# KiCad board stekeeb65_analog.kicad_pcb (continued)
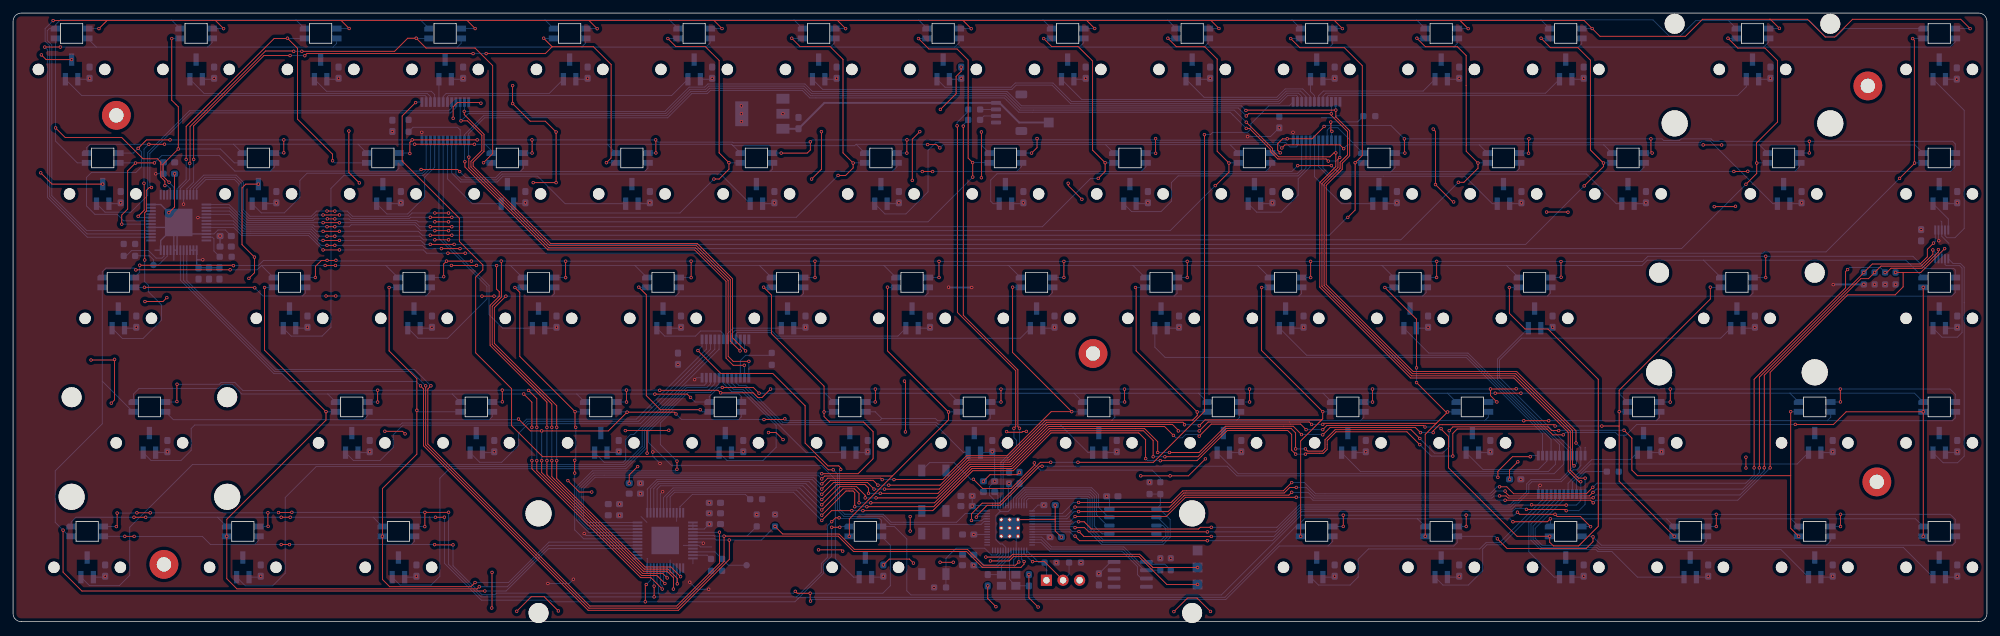
[diagram p0: board, top side]
## Placement (name value [footprint] x y rotation side) (continued)
U39  DRV5055Z3QDBZT  [SOT-23_Handsoldering_no_plane]  175.64 46.41 90 bottom
U40  DRV5055Z3QDBZT  [SOT-23_Handsoldering_no_plane]  194.69 46.41 90 bottom
U41  DRV5055Z3QDBZT  [SOT-23_Handsoldering_no_plane]  213.74 46.41 90 bottom
U42  DRV5055Z3QDBZT  [SOT-23_Handsoldering_no_plane]  232.79 46.41 90 bottom
U43  DRV5055Z3QDBZT  [SOT-23_Handsoldering_no_plane]  263.75 46.41 90 bottom
U44  DRV5055Z3QDBZT  [SOT-23_Handsoldering_no_plane]  294.71 46.41 90 bottom
U45  DRV5055Z3QDBZT  [SOT-23_Handsoldering_no_plane]  20.86 27.36 90 bottom
U46  DRV5055Z3QDBZT  [SOT-23_Handsoldering_no_plane]  51.82 27.36 90 bottom
U47  DRV5055Z3QDBZT  [SOT-23_Handsoldering_no_plane]  70.87 27.36 90 bottom
U48  DRV5055Z3QDBZT  [SOT-23_Handsoldering_no_plane]  89.92 27.36 90 bottom
U49  DRV5055Z3QDBZT  [SOT-23_Handsoldering_no_plane]  108.97 27.36 90 bottom
U50  DRV5055Z3QDBZT  [SOT-23_Handsoldering_no_plane]  128.02 27.36 90 bottom
U51  DRV5055Z3QDBZT  [SOT-23_Handsoldering_no_plane]  147.07 27.36 90 bottom
U52  DRV5055Z3QDBZT  [SOT-23_Handsoldering_no_plane]  166.12 27.36 90 bottom
U53  DRV5055Z3QDBZT  [SOT-23_Handsoldering_no_plane]  185.17 27.36 90 bottom
U54  DRV5055Z3QDBZT  [SOT-23_Handsoldering_no_plane]  204.22 27.36 90 bottom
U55  DRV5055Z3QDBZT  [SOT-23_Handsoldering_no_plane]  223.27 27.36 90 bottom
U56  DRV5055Z3QDBZT  [SOT-23_Handsoldering_no_plane]  249.46 27.36 90 bottom
U57  DRV5055Z3QDBZT  [SOT-23_Handsoldering_no_plane]  275.66 27.36 90 bottom
U58  DRV5055Z3QDBZT  [SOT-23_Handsoldering_no_plane]  294.71 27.36 90 bottom
U59  DRV5055Z3QDBZT  [SOT-23_Handsoldering_no_plane]  11.34 8.31 90 bottom
U60  DRV5055Z3QDBZT  [SOT-23_Handsoldering_no_plane]  35.15 8.31 90 bottom
U61  DRV5055Z3QDBZT  [SOT-23_Handsoldering_no_plane]  58.96 8.31 90 bottom
U62  DRV5055Z3QDBZT  [SOT-23_Handsoldering_no_plane]  130.4 8.31 90 bottom
U63  DRV5055Z3QDBZT  [SOT-23_Handsoldering_no_plane]  199.45 8.31 90 bottom
U64  DRV5055Z3QDBZT  [SOT-23_Handsoldering_no_plane]  218.5 8.31 90 bottom
U65  DRV5055Z3QDBZT  [SOT-23_Handsoldering_no_plane]  237.55 8.31 90 bottom
U66  DRV5055Z3QDBZT  [SOT-23_Handsoldering_no_plane]  256.61 8.31 90 bottom
U67  DRV5055Z3QDBZT  [SOT-23_Handsoldering_no_plane]  275.66 8.31 90 bottom
U68  DRV5055Z3QDBZT  [SOT-23_Handsoldering_no_plane]  294.71 8.31 90 bottom
U69  W25Q32JVSS  [SOIC-8_5.23x5.23mm_P1.27mm]  171.33 15.34 180 bottom
U70  RP2040  [RP2040-QFN-56]  152.47 14.34 180 bottom
U71  FM24CL16B  [SOIC-8_3.9x4.9mm_P1.27mm]  170.93 7.24 0 bottom
U72  NCP1117-3.3_SOT223  [SOT-223-3_TabPin2]  114.64 77.73 180 bottom
Y1  12MHz  [Crystal_SMD_3225-4Pin_3.2x2.5mm]  152.32 6.34 0 bottom

## Library data of the parts
B1 B2 = -: Part Number: MSLPT5252AG3TR
C1-C68 C71 C74 C76 C78 C80 C82-C91 C94 C97-C103 = -: Part Number: C0603C104M4RAC7411
C69 C70 C72 C73 C75 C77 C79 C81 = -: Part Number: C1608X7R1C474K080AC
C92 C93 = -: Part Number: CL10B104KA8NNNC
C95 C96 = -: Part Number: C0603C270J3GAC7867
IC1-IC4 = -: Description: 74HC(T)4067 - 16-channel analog multiplexer/demultiplexer@en-us; Arrow Price/Stock: https://www.arrow.com/en/products/74hc4067pw118/nexperia?region=nac; Height: 1.1; Manufacturer_Name: Nexperia; Mouser Part Number: 771-74HC4067PW-T; Mouser Price/Stock: https://www.mouser.co.uk/ProductDetail/Nexperia/74HC4067PW118?qs=P62ublwmbi9BArRi%252BuDUjA%3D%3D
IC5 IC6 = -: Description: Integrated Silicon Solution Inc 12 16 Dot Matrix LED Drive with individual auto breath function, eTQFP-48 (9.0mm x 9.0mm); Height: 1.2; Manufacturer_Name: Lumissil; Mouser Part Number: 870-IS313733B-TQLS4; Mouser Price/Stock: https://www.mouser.co.uk/ProductDetail/Lumissil/IS31FL3733B-TQLS4?qs=sPbYRqrBIVnVItISO7hRKQ%3D%3D
IC7 = -: Description: 4 Channel, 50 ksps to 200 kSPS, 12-Bit A/D Converter; Arrow Part Number: ADC124S021CIMM/NOPB; Arrow Price/Stock: https://www.arrow.com/en/products/adc124s021cimmnopb/texas-instruments?region=nac; Height: 1.1; Manufacturer_Name: Texas Instruments; Manufacturer_Part_Number: ADC124S021CIMM/NOPB; Mouser Part Number: 926-C124S021CIMMNOPB; Mouser Price/Stock: https://www.mouser.co.uk/ProductDetail/Texas-Instruments/ADC124S021CIMM-NOPB?qs=7X5t%252BdzoRHCsOQY55StpJg%3D%3D
J1 = -: Part Number: SM04B-SRSS-TB
J2 = -: Description: 0.1in pitch pin headers
R1 R2 R21 R22 = -: Part Number: RMCF0603FT4K70
R3-R6 = -: Part Number: RMCF0603FT100K
R7 R8 = -: Part Number: ERJ-3EKF2002V
R18 R23 = -: Part Number: RNCP0603FTD10K0
R24 R25 = -: Part Number: RC0603FR-1327RL
U70 = -: Part Number: SC0914(13)
U72 = -: Part Number: AZ1117IH-3.3TRG1
Y1 = -: Description: 12 MHz Crystal; Part Number: RH100-12.000-18-2030-TR

## Footprints (pads in the part's own frame, mm; a bottom-side part is the same pattern mirrored in y, then rotated)
C_0603_1608Metric_Pad1.08x0.95mm_HandSolder
  rrect 1.075x0.95 smd: 1(-0.863,0) 2(0.863,0)
Crystal_SMD_3225-4Pin_3.2x2.5mm
  rect 1.4x1.2 smd: 1(-1.1,-0.85) 2(1.1,-0.85) 3(1.1,0.85) 4(-1.1,0.85)
JST_SH_SM04B-SRSS-TB_1x04-1MP_P1.00mm_Horizontal
  rrect 0.6x1.55 smd: 1(-1.5,2) 2(-0.5,2) 3(0.5,2) 4(1.5,2)
  rrect 1.2x1.8 smd: MP(-2.8,-1.875) MP(2.8,-1.875)
MountingHole_2.2mm_M2_Pad_tweaked
  round 4.4 hole 2.2: 1(0,0)
MX_Lekker
  round 1.74 hole 1.74 unplated: (-5.08,0) (5.08,0)
MX_Lekker-1.5U
  round 1.74 hole 1.74 unplated: (-5.08,0) (5.08,0)
MX_Lekker-1.25U
  round 1.74 hole 1.74 unplated: (-5.08,0) (5.08,0)
MX_Lekker-1.75U
  round 1.74 hole 1.74 unplated: (-5.08,0) (5.08,0)
MX_Lekker-2.25U
  round 3.048 hole 3.048 unplated: (-11.906,6.985) (11.906,6.985)
  round 3.988 hole 3.988 unplated: (-11.906,-8.255) (11.906,-8.255)
  round 1.74 hole 1.74 unplated: (-5.08,0) (5.08,0)
MX_Lekker-2U
  round 3.048 hole 3.048 unplated: (-11.906,6.985) (11.906,6.985)
  round 3.988 hole 3.988 unplated: (-11.906,-8.255) (11.906,-8.255)
  round 1.74 hole 1.74 unplated: (-5.08,0) (5.08,0)
MX_Lekker-6.25U-ReversedStabilizers
  round 3.048 hole 3.048 unplated: (-50,-6.985) (50,-6.985)
  round 3.988 hole 3.988 unplated: (-50,8.255) (50,8.255)
  round 1.74 hole 1.74 unplated: (-5.08,0) (5.08,0)
PinHeader_1x03_P2.54mm_Vertical
  rect 1.7x1.7 hole 1: 1(0,0)
  oval 1.7x1.7 hole 1: 2(0,-2.54) 3(0,-5.08)
QBLP677R-RGB-square_cutout
  rrect 1.5x0.9 smd: 1(-2.45,-0.75)
  rect 1.5x0.9 smd: 2(2.45,-0.75) 3(2.45,0.75) 4(-2.45,0.75)
QFP50P900X900X120-49N
  rect 1.475x0.3 smd: 1(-4.238,2.75) 2(-4.238,2.25) 3(-4.238,1.75) 4(-4.238,1.25) 5(-4.238,0.75) 6(-4.238,0.25) 7(-4.238,-0.25) 8(-4.238,-0.75) 9(-4.238,-1.25) 10(-4.238,-1.75) 11(-4.238,-2.25) 12(-4.238,-2.75) 25(4.238,-2.75) 26(4.238,-2.25) 27(4.238,-1.75) 28(4.238,-1.25) 29(4.238,-0.75) 30(4.238,-0.25) 31(4.238,0.25) 32(4.238,0.75) 33(4.238,1.25) 34(4.238,1.75) 35(4.238,2.25) 36(4.238,2.75)
  rect 0.3x1.475 smd: 13(-2.75,-4.238) 14(-2.25,-4.238) 15(-1.75,-4.238) 16(-1.25,-4.238) 17(-0.75,-4.238) 18(-0.25,-4.238) 19(0.25,-4.238) 20(0.75,-4.238) 21(1.25,-4.238) 22(1.75,-4.238) 23(2.25,-4.238) 24(2.75,-4.238) 37(2.75,4.238) 38(2.25,4.238) 39(1.75,4.238) 40(1.25,4.238) 41(0.75,4.238) 42(0.25,4.238) 43(-0.25,4.238) 44(-0.75,4.238) 45(-1.25,4.238) 46(-1.75,4.238) 47(-2.25,4.238) 48(-2.75,4.238)
  rect 4.21x4.21 smd: 49(0,0)
R_0603_1608Metric_Pad0.98x0.95mm_HandSolder
  rrect 0.975x0.95 smd: 1(-0.912,0) 2(0.912,0)
RP2040-QFN-56
  rrect 1.084x1.084 smd: (-0.637,-0.637) (-0.637,0.637) (0.637,-0.637) (0.637,0.637)
  rrect 0.875x0.2 smd: 1(-3.438,2.6) 2(-3.438,2.2) 3(-3.438,1.8) 4(-3.438,1.4) 5(-3.438,1) 6(-3.438,0.6) 7(-3.438,0.2) 8(-3.438,-0.2) 9(-3.438,-0.6) 10(-3.438,-1) 11(-3.438,-1.4) 12(-3.438,-1.8) 13(-3.438,-2.2) 14(-3.438,-2.6) 29(3.438,-2.6) 30(3.438,-2.2) 31(3.438,-1.8) 32(3.438,-1.4) 33(3.438,-1) 34(3.438,-0.6) 35(3.438,-0.2) 36(3.438,0.2) 37(3.438,0.6) 38(3.438,1) 39(3.438,1.4) 40(3.438,1.8) 41(3.438,2.2) 42(3.438,2.6)
  rrect 0.2x0.875 smd: 15(-2.6,-3.438) 16(-2.2,-3.438) 17(-1.8,-3.438) 18(-1.4,-3.438) 19(-1,-3.438) 20(-0.6,-3.438) 21(-0.2,-3.438) 22(0.2,-3.438) 23(0.6,-3.438) 24(1,-3.438) 25(1.4,-3.438) 26(1.8,-3.438) 27(2.2,-3.438) 28(2.6,-3.438) 43(2.6,3.438) 44(2.2,3.438) 45(1.8,3.438) 46(1.4,3.438) 47(1,3.438) 48(0.6,3.438) 49(0.2,3.438) 50(-0.2,3.438) 51(-0.6,3.438) 52(-1,3.438) 53(-1.4,3.438) 54(-1.8,3.438) 55(-2.2,3.438) 56(-2.6,3.438)
  round 0.6 hole 0.35: 57(-1.275,-1.275) 57(-1.275,0) 57(-1.275,1.275) 57(0,-1.275) 57(0,0) 57(0,1.275) 57(1.275,-1.275) 57(1.275,0) 57(1.275,1.275)
  rrect 3.2x3.2 smd: 57(0,0)
SKQG-1155865
  rect 1.8x1.1 smd: 1(3.1,-1.85) 2(-3.1,1.85) 3(3.1,1.85) 4(-3.1,-1.85)
SOIC-8_3.9x4.9mm_P1.27mm
  rrect 1.95x0.6 smd: 1(-2.475,1.905) 2(-2.475,0.635) 3(-2.475,-0.635) 4(-2.475,-1.905) 5(2.475,-1.905) 6(2.475,-0.635) 7(2.475,0.635) 8(2.475,1.905)
SOIC-8_5.23x5.23mm_P1.27mm
  rrect 1.6x0.6 smd: 1(-3.6,1.905) 2(-3.6,0.635) 3(-3.6,-0.635) 4(-3.6,-1.905) 5(3.6,-1.905) 6(3.6,-0.635) 7(3.6,0.635) 8(3.6,1.905)
SOP50P490X110-10N
  rect 1.4x0.3 smd: 1(-2.2,1) 2(-2.2,0.5) 3(-2.2,0) 4(-2.2,-0.5) 5(-2.2,-1) 6(2.2,-1) 7(2.2,-0.5) 8(2.2,0) 9(2.2,0.5) 10(2.2,1)
SOP65P640X110-24N
  rect 1.475x0.45 smd: 1(-2.938,3.575) 2(-2.938,2.925) 3(-2.938,2.275) 4(-2.938,1.625) 5(-2.938,0.975) 6(-2.938,0.325) 7(-2.938,-0.325) 8(-2.938,-0.975) 9(-2.938,-1.625) 10(-2.938,-2.275) 11(-2.938,-2.925) 12(-2.938,-3.575) 13(2.938,-3.575) 14(2.938,-2.925) 15(2.938,-2.275) 16(2.938,-1.625) 17(2.938,-0.975) 18(2.938,-0.325) 19(2.938,0.325) 20(2.938,0.975) 21(2.938,1.625) 22(2.938,2.275) 23(2.938,2.925) 24(2.938,3.575)
SOT-23_Handsoldering_no_plane
  rect 1.9x0.8 smd: 1(-1.5,0.95) 2(-1.5,-0.95) 3(1.5,0)
SOT-223-3_TabPin2
  rect 2x1.5 smd: 1(-3.15,2.3) 2(-3.15,0) 3(-3.15,-2.3)
  rect 2x3.8 smd: 2(3.15,0)
TestPoint_Pad_1.5x1.5mm
  rect 1.5x1.5 smd: 1(0,0)
TestPoint_Pad_D1.0mm
  round 1 smd: 1(0,0)
unnamed
  round 4.4 hole 2.2: 1(0,0)

## Nets
+1V1: C83.1 C84.1 C92.1 U70.23 U70.45 U70.50
+3.3VA: C1.1 C2.1 C3.1 C4.1 C5.1 C6.1 C7.1 C8.1 C9.1 C10.1 C11.1 C12.1 C13.1 C14.1 C15.1 C16.1 C17.1 C18.1 C19.1 C20.1 C21.1 C22.1 C23.1 C24.1 C25.1 C26.1 C27.1 C28.1 C29.1 C30.1 C31.1 C32.1 C33.1 C34.1 C35.1 C36.1 C37.1 C38.1 C39.1 C40.1 C41.1 C42.1 C43.1 C44.1 C45.1 C46.1 C47.1 C48.1 C49.1 C50.1 C51.1 C52.1 C53.1 C54.1 C55.1 C56.1 C57.1 C58.1 C59.1 C60.1 C61.1 C62.1 C63.1 C64.1 C65.1 C66.1 C67.1 C68.1 C69.1 C70.1 C71.1 C72.1 C73.1 C74.1 C75.1 C76.1 C77.1 C78.1 C79.1 C80.1 C81.1 C82.1 C85.1 C86.1 C87.1 C88.1 C89.1 C90.1 C91.1 C93.1 C94.2 C97.1 C99.1 C100.1 C101.1 C102.1 C103.1 IC1.24 IC2.24 IC3.24 IC4.24 IC5.20 IC5.29 IC5.37 IC5.38 IC5.39 IC6.20 IC6.29 IC6.37 IC6.38 IC6.39 IC6.43 IC7.2 R1.1 R2.1 R9.1 R10.1 R11.1 R12.1 R17.2 R21.1 R22.1 R23.1 R26.1 R27.1 U1.1 U2.1 U3.1 U4.1 U5.1 U6.1 U7.1 U8.1 U9.1 U10.1 U11.1 U12.1 U13.1 U14.1 U15.1 U16.1 U17.1 U18.1 U19.1 U20.1 U21.1 U22.1 U23.1 U24.1 U25.1 U26.1 U27.1 U28.1 U29.1 U30.1 U31.1 U32.1 U33.1 U34.1 U35.1 U36.1 U37.1 U38.1 U39.1 U40.1 U41.1 U42.1 U43.1 U44.1 U45.1 U46.1 U47.1 U48.1 U49.1 U50.1 U51.1 U52.1 U53.1 U54.1 U55.1 U56.1 U57.1 U58.1 U59.1 U60.1 U61.1 U62.1 U63.1 U64.1 U65.1 U66.1 U67.1 U68.1 U69.8 U70.1 U70.10 U70.22 U70.33 U70.42 U70.43 U70.44 U70.48 U70.49 U71.4 U72.2
+5V: C98.2 J1.1 TP2.1 U72.3
GND: B1.1 B2.1 C1.2 C2.2 C3.2 C4.2 C5.2 C6.2 C7.2 C8.2 C9.2 C10.2 C11.2 C12.2 C13.2 C14.2 C15.2 C16.2 C17.2 C18.2 C19.2 C20.2 C21.2 C22.2 C23.2 C24.2 C25.2 C26.2 C27.2 C28.2 C29.2 C30.2 C31.2 C32.2 C33.2 C34.2 C35.2 C36.2 C37.2 C38.2 C39.2 C40.2 C41.2 C42.2 C43.2 C44.2 C45.2 C46.2 C47.2 C48.2 C49.2 C50.2 C51.2 C52.2 C53.2 C54.2 C55.2 C56.2 C57.2 C58.2 C59.2 C60.2 C61.2 C62.2 C63.2 C64.2 C65.2 C66.2 C67.2 C68.2 C69.2 C70.2 C71.2 C72.2 C73.2 C74.2 C75.2 C76.2 C77.2 C78.2 C79.2 C80.2 C81.2 C82.2 C83.2 C84.2 C85.2 C86.2 C87.2 C88.2 C89.2 C90.2 C91.2 C92.2 C93.2 C94.1 C95.1 C96.1 C97.2 C98.1 C99.2 C100.2 C101.2 C102.2 C103.2 IC1.12 IC2.12 IC3.12 IC4.12 IC5.5 IC5.12 IC5.34 IC5.43 IC5.44 IC5.48 IC5.49 IC6.5 IC6.12 IC6.34 IC6.44 IC6.48 IC6.49 IC7.3 J1.4 J2.3 R3.1 R4.1 R5.1 R6.1 R7.2 R8.2 R13.2 R14.2 R15.2 R16.2 TP5.1 U1.3 U2.3 U3.3 U4.3 U5.3 U6.3 U7.3 U8.3 U9.3 U10.3 U11.3 U12.3 U13.3 U14.3 U15.3 U16.3 U17.3 U18.3 U19.3 U20.3 U21.3 U22.3 U23.3 U24.3 U25.3 U26.3 U27.3 U28.3 U29.3 U30.3 U31.3 U32.3 U33.3 U34.3 U35.3 U36.3 U37.3 U38.3 U39.3 U40.3 U41.3 U42.3 U43.3 U44.3 U45.3 U46.3 U47.3 U48.3 U49.3 U50.3 U51.3 U52.3 U53.3 U54.3 U55.3 U56.3 U57.3 U58.3 U59.3 U60.3 U61.3 U62.3 U63.3 U64.3 U65.3 U66.3 U67.3 U68.3 U69.4 U70.19 U70.57 U71.8 U72.1 Y1.2 Y1.4
/MCU/FRAM_WP: U70.13 U71.7
/MCU/I2C0_SCL: R22.2 U70.12 U71.6
/MCU/I2C0_SDA: R21.2 U70.11 U71.5
/MCU/QSPI_SCLK: U69.6 U70.52
/MCU/QSPI_SD0: U69.5 U70.53
/MCU/QSPI_SD1: U69.2 U70.55
/MCU/QSPI_SD2: U69.3 U70.54
/MCU/QSPI_SD3: U69.7 U70.51
/MCU/QSPI_SS: R17.1 R18.2 U69.1 U70.56
/MCU/RESET: B2.2 R23.2 U70.26
/MCU/XIN: C95.2 U70.20 Y1.3
/MCU/XOUT: C96.2 U70.21 Y1.1
/MCU/~{USB_BOOT}: B1.2 R18.1
ADC0: IC1.1 U70.38
ADC1: IC2.1 U70.39
ADC2: IC3.1 U70.40
ADC3: IC4.1 U70.41
LED1_Col0: IC5.16 S1.4 S16.4
LED1_Col1: IC5.17 S2.4 S17.4
LED1_Col2: IC5.18 S3.4 S18.4
LED1_Col3: IC5.19 S4.4 S19.4
LED1_Col4: IC5.21 S5.4 S20.4
LED1_Col5: IC5.22 S6.4 S21.4
LED1_Col6: IC5.23 S7.4 S22.4
LED1_Col7: IC5.24 S8.4 S23.4
LED1_Col8: IC5.25 S9.4 S24.4
LED1_Col9: IC5.26 S10.4 S25.4
LED1_Col10: IC5.27 S11.4 S26.4
LED1_Col11: IC5.28 S12.4 S27.4
LED1_Col12: IC5.30 S13.4 S28.4
LED1_Col13: IC5.31 S14.4 S29.4
LED1_Col14: IC5.32 S15.4 S30.4
LED2_Col0: IC6.16 S31.4 S45.4 S59.4
LED2_Col1: IC6.17 S32.4 S46.4 S60.4
LED2_Col2: IC6.18 S33.4 S47.4 S61.4
LED2_Col3: IC6.19 S34.4 S48.4
LED2_Col4: IC6.21 S35.4 S49.4
LED2_Col5: IC6.22 S36.4 S50.4
LED2_Col6: IC6.23 S37.4 S51.4 S62.4
LED2_Col7: IC6.24 S38.4 S52.4
LED2_Col8: IC6.25 S39.4 S53.4
LED2_Col9: IC6.26 S40.4 S54.4 S63.4
LED2_Col10: IC6.27 S41.4 S55.4 S64.4
LED2_Col11: IC6.28 S42.4 S65.4
LED2_Col12: IC6.30 S43.4 S56.4 S66.4
LED2_Col13: IC6.31 S57.4 S67.4
LED2_Col14: IC6.32 S44.4 S58.4 S68.4
LED_Row_B0: IC5.4 S1.1 S2.1 S3.1 S4.1 S5.1 S6.1 S7.1 S8.1 S9.1 S10.1 S11.1 S12.1 S13.1 S14.1 S15.1
LED_Row_B1: IC5.8 S16.1 S17.1 S18.1 S19.1 S20.1 S21.1 S22.1 S23.1 S24.1 S25.1 S26.1 S27.1 S28.1 S29.1 S30.1
LED_Row_B2: IC6.4 S31.1 S32.1 S33.1 S34.1 S35.1 S36.1 S37.1 S38.1 S39.1 S40.1 S41.1 S42.1 S43.1 S44.1
LED_Row_B3: IC6.8 S45.1 S46.1 S47.1 S48.1 S49.1 S50.1 S51.1 S52.1 S53.1 S54.1 S55.1 S56.1 S57.1 S58.1
LED_Row_B4: IC6.11 S59.1 S60.1 S61.1 S62.1 S63.1 S64.1 S65.1 S66.1 S67.1 S68.1
LED_Row_G0: IC5.3 S1.2 S2.2 S3.2 S4.2 S5.2 S6.2 S7.2 S8.2 S9.2 S10.2 S11.2 S12.2 S13.2 S14.2 S15.2
LED_Row_G1: IC5.7 S16.2 S17.2 S18.2 S19.2 S20.2 S21.2 S22.2 S23.2 S24.2 S25.2 S26.2 S27.2 S28.2 S29.2 S30.2
LED_Row_G2: IC6.3 S31.2 S32.2 S33.2 S34.2 S35.2 S36.2 S37.2 S38.2 S39.2 S40.2 S41.2 S42.2 S43.2 S44.2
LED_Row_G3: IC6.7 S45.2 S46.2 S47.2 S48.2 S49.2 S50.2 S51.2 S52.2 S53.2 S54.2 S55.2 S56.2 S57.2 S58.2
LED_Row_G4: IC6.10 S59.2 S60.2 S61.2 S62.2 S63.2 S64.2 S65.2 S66.2 S67.2 S68.2
LED_Row_R0: IC5.2 S1.3 S2.3 S3.3 S4.3 S5.3 S6.3 S7.3 S8.3 S9.3 S10.3 S11.3 S12.3 S13.3 S14.3 S15.3
LED_Row_R1: IC5.6 S16.3 S17.3 S18.3 S19.3 S20.3 S21.3 S22.3 S23.3 S24.3 S25.3 S26.3 S27.3 S28.3 S29.3 S30.3
LED_Row_R2: IC6.2 S31.3 S32.3 S33.3 S34.3 S35.3 S36.3 S37.3 S38.3 S39.3 S40.3 S41.3 S42.3 S43.3 S44.3
LED_Row_R3: IC6.6 S45.3 S46.3 S47.3 S48.3 S49.3 S50.3 S51.3 S52.3 S53.3 S54.3 S55.3 S56.3 S57.3 S58.3
LED_Row_R4: IC6.9 S59.3 S60.3 S61.3 S62.3 S63.3 S64.3 S65.3 S66.3 S67.3 S68.3
LED_SCL: IC5.42 IC6.42 R1.2 U70.18
LED_SDA: IC5.41 IC6.41 R2.2 U70.17
MUX_SEL0: IC1.10 IC2.10 IC3.10 IC4.10 U70.6
MUX_SEL1: IC1.11 IC2.11 IC3.11 IC4.11 U70.7
MUX_SEL2: IC1.14 IC2.14 IC3.14 IC4.14 U70.8
MUX_SEL3: IC1.13 IC2.13 IC3.13 IC4.13 U70.9
SPI0_CS: IC7.1 R11.2 U70.3
SPI0_MISO: IC7.9 R12.2 U70.2
SPI0_MOSI: IC7.8 R9.2 U70.5
SPI0_SCLK: IC7.10 R10.2 U70.4
SW_1: IC1.2 U1.2
SW_2: IC1.3 U2.2
SW_3: IC1.4 U3.2
SW_4: IC1.5 U4.2
SW_5: IC1.6 U5.2
SW_6: IC1.7 U6.2
SW_7: IC2.2 U7.2
SW_8: IC2.3 U8.2
SW_9: IC2.4 U9.2
SW_10: IC2.5 U10.2
SW_11: IC2.6 U11.2
SW_12: IC2.7 U12.2
SW_13: IC2.8 U13.2
SW_14: IC2.9 U14.2
SW_15: IC7.4 U15.2
SW_16: IC1.8 U16.2
SW_17: IC1.23 U17.2
SW_18: IC1.21 U18.2
SW_19: IC1.18 U19.2
SW_20: IC1.17 U20.2
SW_21: IC1.16 U21.2
SW_22: IC2.23 U22.2
SW_23: IC2.22 U23.2
SW_24: IC2.21 U24.2
SW_25: IC2.20 U25.2
SW_26: IC2.19 U26.2
SW_27: IC2.18 U27.2
SW_28: IC2.17 U28.2
SW_29: IC2.16 U29.2
SW_30: IC7.5 U30.2
SW_31: IC1.9 U31.2
SW_32: IC1.22 U32.2
SW_33: IC1.20 U33.2
SW_34: IC1.19 U34.2
SW_35: IC4.6 U35.2
SW_36: IC4.7 U36.2
SW_37: IC4.8 U37.2
SW_38: IC4.9 U38.2
SW_39: IC3.2 U39.2
SW_40: IC3.4 U40.2
SW_41: IC3.6 U41.2
SW_42: IC3.8 U42.2
SW_43: IC3.9 U43.2
SW_44: IC7.7 U44.2
SW_45: IC4.2 U45.2
SW_46: IC4.3 U46.2
SW_47: IC4.4 U47.2
SW_48: IC4.5 U48.2
SW_49: IC4.19 U49.2
SW_50: IC4.18 U50.2
SW_51: IC4.17 U51.2
SW_52: IC4.16 U52.2
SW_53: IC3.7 U53.2
SW_54: IC3.5 U54.2
SW_55: IC3.3 U55.2
SW_56: IC3.17 U56.2
SW_57: IC3.16 U57.2
SW_58: IC7.6 U58.2
SW_59: IC4.23 U59.2
SW_60: IC4.22 U60.2
SW_61: IC4.21 U61.2
SW_62: IC4.20 U62.2
SW_63: IC3.23 U63.2
SW_64: IC3.22 U64.2
SW_65: IC3.21 U65.2
SW_66: IC3.20 U66.2
SW_67: IC3.19 U67.2
SW_68: IC3.18 U68.2
SWCLK: TP4.1 U70.24
SWDIO: TP3.1 U70.25
UART_RX: J2.2 R27.2 U70.16
UART_TX: J2.1 R26.2 U70.15
USB_D+: R25.1 U70.47
USB_D-: R24.2 U70.46
Net-(IC1-Pad15): IC1.15 R13.1
Net-(IC2-Pad15): IC2.15 R14.1
Net-(IC3-Pad15): IC3.15 R15.1
Net-(IC4-Pad15): IC4.15 R16.1
Net-(IC5-Pad35): IC5.35 R7.1
Net-(IC5-Pad40): IC5.40 IC6.40
Net-(IC5-Pad46): IC5.46 R3.2 TP1.1
Net-(IC5-Pad47): IC5.47 R5.2
Net-(IC6-Pad35): IC6.35 R8.1
Net-(IC6-Pad46): IC6.46 R4.2 TP6.1
Net-(IC6-Pad47): IC6.47 R6.2
Net-(J1-Pad2): J1.2 R24.1
Net-(J1-Pad3): J1.3 R25.2

Pads without a net: B1 3 4; B2 3 4; IC5 1 9 10 11 13 14 15 33 36 45; IC6 1 13 14 15 33 36 45; J1 MP; NOREF 1; NOREF#2 1; NOREF#3 1; NOREF#4 1; REF** 1; U70 14 27 28 29 30 31 32 34 35 36 37; U71 1 2 3

## Via types
v1: diameter 0.5, hole 0.3, Top to Bottom, 733 vias

## Routing (per net, layer and track width the routed paths; a pad name or vN(x,y) marks a point on that pad's centre or on a via; arc(x,y) is an arc through that point)
+1V1: length 23.7
  Bottom w0.127: 151.13,16.84 152.23,16.84 152.23,16.85 152.67,17.3 U70.50 152.67,19.96 153.84,21.13 C84.1 ; 151.13,16.84 150.98,16.84 150.38,16.24 150.38,12.54 151.03,11.89 151.37,11.89 151.87,11.38 U70.23 151.87,10.11 150.43,8.67 148.57,8.67 C83.1 ; 151.13,16.84 150.67,17.3 U70.45 150.67,19.35 C92.1
+3.3VA: length 228.7
  Bottom w0.127: U56.1 252.07,25.86 v1(252.21,26) ; U29.1 273.5,63.96 v1(273.64,64.1) ; v1(116.48,64.1) 116.34,63.96 U21.1 ; v1(18.85,45.05) 18.71,44.91 U31.1 ; U67.1 278.27,6.81 v1(278.41,6.95) ; U18.1 59.19,63.96 v1(59.33,64.1) ; U2.1 30.62,83.01 v1(30.76,83.15) ; U58.1 297.32,25.86 v1(297.46,26) ; U20.1 97.29,63.96 v1(97.43,64.1) ; U26.1 211.59,63.96 v1(211.73,64.1) ; U34.1 83,44.91 v1(83.14,45.05) ; U4.1 68.72,83.01 v1(68.85,83.15) ; v1(193.73,75.58) 192.39,74.24 v1(188.88,74.24) ; U15.1 297.38,83.01 v1(297.39,83.03) ; U52.1 168.73,25.86 v1(168.87,26) ; v1(87.91,83.15) 87.77,83.01 U5.1 ; U46.1 54.43,25.86 v1(54.57,26) ; U25.1 192.54,63.96 v1(192.68,64.1) ; v1(103.53,6.04) 104.6,4.96 v1(106.43,4.96) ; IC6.43 105.44,12.18 v1(105.6,12.01) ; U65.1 240.17,6.81 v1(240.3,6.95) ; v1(173.63,64.1) 173.49,63.96 U24.1 ; U50.1 130.63,25.86 v1(130.77,26) ; U7.1 125.87,83.01 v1(126,83.15) ; v1(111.72,26) 111.58,25.86 U49.1 ; U9.1 163.97,83.01 v1(164.1,83.15) ; v1(97.88,25.96) 97.88,25.31 v1(98.98,24.21) ; v1(202.2,83.15) 202.07,83.01 U11.1 ; U44.1 297.32,44.91 v1(297.46,45.05) ; v1(121.24,45.05) 121.1,44.91 U36.1 ; v1(87.38,13.49) 87.69,13.18 IC6.20 ; v1(166.13,7.34) 167.94,9.14 U71.4 ; U19.1 78.24,63.96 v1(78.38,64.1) ; v1(235.54,45.05) 235.41,44.91 U42.1 ; U41.1 216.35,44.91 v1(216.49,45.05) ; v1(92.67,26) 92.53,25.86 U48.1 ; v1(297.46,6.95) 297.32,6.81 U68.1 ; U40.1 197.3,44.91 v1(197.44,45.05) ; v1(187.92,26) 187.78,25.86 U53.1 ; IC6.37 IC6.38 IC6.39 105.76,14.18 v1(106.52,14.94) ; IC1.24 62.55,74.86 v1(62.53,74.89) ; v1(221.25,6.95) 221.12,6.81 219.46,6.81 ; v1(159.34,45.05) 159.2,44.91 U38.1 ; IC7.2 294.59,58.34 v1(294.64,58.29) ; v1(99.38,19.89) 99.03,19.54 IC6.29 ; v1(40.28,64.1) 40.14,63.96 U17.1 ; v1(146.74,17.69) 146.83,17.78 U70.43 U70.44 150.27,18.5 149.39,19.38 149.39,20.69 v1(150.19,21.49) 150.19,25.63 v1(149.82,26) 149.68,25.86 U51.1 ; v1(146.74,17.69) v1(146.74,19.24) ; v1(146.74,17.69) 147.49,16.94 U70.42 ; U22.1 135.39,63.96 v1(135.53,64.1) ; v1(178.39,45.05) 178.25,44.91 U39.1 ; v1(221.25,83.15) 221.12,83.01 219.46,83.01 ; v1(240.3,83.15) 240.17,83.01 U13.1 ; v1(106.95,83.15) 106.82,83.01 105.16,83.01 ; v1(146.99,8.64) 147.29,8.34 150.57,8.34 152.27,10.05 U70.22 ; U37.1 140.16,44.91 v1(140.29,45.05) ; U14.1 268.74,83.01 v1(268.88,83.15) ; 143.25,83.01 144.92,83.01 v1(145.05,83.15) ; v1(133.15,6.95) 133.01,6.81 U62.1 ; U35.1 102.05,44.91 v1(102.19,45.05) ; v1(152.38,21.13) 152.27,21.02 U70.49 U70.48 ; IC5.29 v1(28.28,61.84) ; v1(23.61,26) 23.47,25.86 U45.1 ; v1(157.72,17.84) 156.81,17.84 U70.1 ; v1(233.63,20.86) 233.36,20.6 IC3.24 ; v1(49.8,83.15) 49.67,83.01 U3.1 ; C81.1 21.84,68.55 v1(21.83,68.54) ; v1(259.36,6.95) 259.22,6.81 U66.1 ; U43.1 266.36,44.91 v1(266.5,45.05) ; U55.1 225.88,25.86 v1(226.02,26) ; U70.10 158.27,13.34 v1(158.67,12.94) ; 9.9,83.01 11.57,83.01 v1(11.7,83.15) ; v1(64.09,45.05) 63.95,44.91 U33.1 ; v1(14.09,6.95) 13.95,6.81 U59.1 ; v1(195.83,74.89) 195.86,74.86 IC2.24 ; v1(206.97,26) 206.83,25.86 U54.1 ; v1(202.2,6.95) 202.07,6.81 U63.1 ; U61.1 61.57,6.81 v1(61.71,6.95) ; U47.1 73.48,25.86 v1(73.62,26) ; v1(45.04,45.05) 44.9,44.91 U32.1 ; v1(37.9,6.95) 37.76,6.81 U60.1 ; v1(85.73,6.49) 85.08,5.84 v1(81.83,5.84) ; IC5.20 26.09,63.9 v1(26.08,63.89) ; U23.1 154.44,63.96 v1(154.58,64.1) ; U69.8 167.73,18.78 v1(167.32,19.19) ; v1(278.41,26) 278.27,25.86 U57.1 ; U10.1 183.02,83.01 v1(183.16,83.15) ; v1(249.83,64.1) 249.69,63.96 U28.1 ; U27.1 230.64,63.96 v1(230.78,64.1) ; v1(104.28,37.04) 104.57,37.33 IC4.24 ; U16.1 16.33,63.96 v1(16.47,64.1) ; U30.1 297.32,63.96 v1(297.46,64.1) ; v1(146.99,13.34) U70.33
  Bottom w0.2: C82.1 22.99,70.28 C81.1 ; 28.09,55.38 IC5.37 IC5.38 IC5.39 ; 28.09,55.38 28.09,54.44 C74.1 C73.1 C72.1 ; 28.09,55.38 29.02,55.38 v1(29.03,55.39) ; v1(31.67,59.02) C78.1
  Bottom w0.3: v1(146.68,51.14) 143.18,51.14 v1(143.13,51.19) ; v1(278.48,51.59) 278.5,51.61 v1(283.17,51.61)
  vias: v1(58.03,75.01) v1(92.79,17.99) v1(92.79,16.29) v1(95.99,21.19) v1(95.99,19.59) v1(101.73,39.38) v1(106.52,18.19) v1(106.52,16.59) v1(111.43,78.94) v1(111.43,77.74) v1(111.43,76.54) v1(113.78,16.4) v1(116.58,16.4) v1(117.79,77.73) v1(140.91,5.24) v1(159.64,9.04) v1(163.39,9.04) v1(173.88,21.35) v1(175.53,9.7) v1(177.13,9.7) v1(230.69,21.79) v1(284.82,51.61) v1(286.42,51.61) v1(288.02,51.61) v1(291.93,60)
+5V: length 43.5
  Bottom w0.3: TP2.1 153.93,76.39 150.93,79.39 J1.1 124.12,79.39 C98.2 120.16,75.43 U72.3
GND: length 315.4
  Top w0.127: v1(152,29.09) 152.1,28.99 154.35,28.99 154.48,29.11 v1(155.03,29.11) ; v1(8.95,86.01) 5.05,86.01 v1(4.33,86.74) ; 96.98,29.24 97,29.21 v1(97,25.79) ; 96.98,29.24 v1(93.68,29.24) ; 96.98,29.24 100.28,29.24 v1(100.33,29.29) ; v1(67.33,77.04) 67.33,78.79 67.98,79.44 71.48,79.44 v1(71.58,79.34) ; v1(94.27,21.19) 94.27,22.45 v1(95.55,23.74) ; v1(263.53,63.56) 263.48,63.51 v1(260.28,63.51) ; v1(234.63,62.69) 237.88,62.69 v1(237.91,62.66) ; v1(83.43,1.64) 81.25,3.81 79.28,3.81 v1(77.05,1.59) ; v1(24.71,68.55) 24.71,63.47 v1(23.84,62.59) ; v1(13.72,66.96) 5.95,66.96 v1(4.23,68.69) ; v1(265.13,25.16) v1(265.13,23.51) ; v1(15.03,33.44) 15.53,33.94 v1(15.53,40.14) 15.43,40.04 v1(11.93,40.04) ; v1(76.43,82.04) v1(76.43,79.29) 79.13,76.59 81.43,76.59 v1(83.08,74.94) v1(83.08,67.19) v1(79.58,67.19) ; v1(148.46,21.49) 149.46,22.49 153.62,22.49 v1(153.98,22.85) ; v1(51.38,75.09) 51.38,68.74 v1(52.98,67.14) ; v1(172.53,22.31) v1(177.03,22.31) 179.83,22.31 v1(182.43,24.91) ; v1(160.39,12.94) 159.44,13.89 159.44,15.63 ; v1(117.8,27.86) 116.73,28.94 v1(115.58,28.94) ; v1(137.25,16.09) v1(137.25,13.86) ; v1(149.12,5.48) 149.12,3.55 v1(150.38,2.29) ; v1(122.18,67.74) 123.68,69.24 v1(123.68,74.99) ; v1(137.58,67.54) 137.58,73.84 v1(138.73,74.99) ; v1(141.88,78.39) 144.28,80.79 144.28,83.44 145.05,84.21 v1(145.05,84.88) ; v1(20.18,48.99) 22.93,48.99 v1(23.53,49.59) ; v1(88.53,19.84) 86.63,19.84 v1(84.88,21.59) ; v1(73.23,2.09) 73.28,2.14 v1(73.28,7.54) ; v1(183.2,1.56) 181.16,3.61 179.68,3.61 v1(177.6,1.54) ; v1(36.08,52.54) 36.93,53.39 v1(36.93,55.79) 35.03,57.69 35.03,66.39 35.6,66.96 v1(37.53,66.96) ; v1(155.42,7.2) 155.42,3.65 v1(156.83,2.24) ; v1(159.44,17.84) 159.44,15.63 ; 159.44,15.63 159.43,15.61 U70.57 ; v1(136.53,29.04) 136.53,36.66 v1(136.38,36.81) ; v1(56.88,29.14) 59.58,29.14 v1(59.98,28.74) ; v1(161.43,67.09) 161.43,66.74 v1(163.53,64.64) ; v1(126.93,10.79) 126.73,10.99 v1(123.23,10.99) ; v1(133.15,8.68) 134.05,9.58 137.14,9.58 v1(137.75,8.96) ; v1(220.41,64.24) 220.28,64.24 v1(217.63,66.89) 217.63,75.04 v1(217.28,75.39) ; v1(148.16,67.94) v1(148.16,74.94) ; v1(228.97,21.79) 228.97,23.2 v1(230.23,24.46) ; v1(141.83,9.09) v1(143.85,9.09)
  Bottom w0.127: C77.2 32.47,59.94 31.34,59.94 30.74,59.34 IC5.34 ; 153.25,8.41 153.09,8.58 153.09,9.48 153.47,9.86 U70.19 153.47,13.34 U70.57 ; IC6.5 100.53,9.44 ; 202.98,77.41 202.5,77.41 202.2,77.11 200.16,77.11 ; 296.18,57.89 295.09,58.98 IC7.3 295.09,61.18 294.96,61.31 ; 240.52,25.41 240.52,26.62 240.58,26.69 ; 102.54,11.68 IC6.44 104.93,11.68 105.17,11.44 106.91,11.44 ; IC6.48 104.02,8.85 ; 96.08,16.09 96.98,15.19 ; 97,9.69 97.03,9.66 IC6.12 ; IC6.34 101.53,15.34
  Bottom w0.2: IC5.49 v1(23.84,62.59) 22.59,63.84 IC5.12 ; IC5.49 25.09,60.84 IC5.43 IC5.44 ; IC5.49 22.59,58.34 IC5.48 21.72,56.85 ; IC5.49 24.59,60.34 ; IC5.49 27.09,59.34 IC5.34 ; IC5.5 24.59,60.34 ; 24.59,60.34 IC5.44 ; IC5.44 24.59,55.35
/MCU/FRAM_WP: length 20.5
  Bottom w0.127: U70.13 157.26,12.14 158.61,10.79 169.67,10.79 172.03,8.43 172.03,7.19 172.61,6.6 U71.7
/MCU/I2C0_SCL: length 21.6
  Bottom w0.127: U70.12 157.32,12.54 158.74,11.11 169.81,11.11 173.04,7.88 U71.6 175.53,7.88 R22.2
/MCU/I2C0_SDA: length 23.3
  Bottom w0.127: U70.11 157.38,12.94 158.88,11.44 169.94,11.44 172.24,9.14 U71.5 173.76,8.79 176.22,8.79 R21.2
/MCU/QSPI_SCLK: length 19.9
  Bottom w0.127: U70.52 153.47,18.87 154.77,20.16 164.89,20.16 165.75,19.3 165.75,16.37 167.41,14.7 U69.6
/MCU/QSPI_SD0: length 20.6
  Bottom w0.127: U69.5 166.63,13.43 165.43,14.64 165.43,19.17 164.76,19.84 154.9,19.84 153.87,18.81 U70.53
/MCU/QSPI_SD1: length 33
  Bottom w0.127: U70.55 154.67,18.69 155.17,19.18 164.49,19.18 164.77,18.9 164.77,14.08 166.69,12.16 175.82,12.16 176.71,13.05 176.71,14.38 175.11,15.97 U69.2
/MCU/QSPI_SD2: length 32.1
  Bottom w0.127: U70.54 154.27,18.75 155.04,19.51 164.62,19.51 165.1,19.03 165.1,14.22 166.83,12.49 175.68,12.49 176.38,13.19 176.38,14.24 175.91,14.7 U69.3
/MCU/QSPI_SD3: length 19.5
  Bottom w0.127: U70.51 153.07,18.93 154.63,20.49 165.03,20.49 166.08,19.44 166.08,17.51 167.62,15.97 U69.7
/MCU/QSPI_SS: length 38.7
  Bottom w0.127: R17.1 R18.2 175.53,17.84 U69.1 175.42,17.24 177.03,15.64 177.03,12.92 175.95,11.84 166.56,11.84 164.45,13.95 164.45,18.76 164.35,18.86 155.38,18.86 155.07,18.55 U70.56
/MCU/RESET: length 14
  Bottom w0.127: U70.26 150.67,10.42 150.45,10.2 149.69,10.2 148.66,11.24 144.28,11.24 142.73,9.69 B2.2 142.73,5.25 R23.2
/MCU/XIN: length 8.1
  Bottom w0.127: C95.2 155.41,5.49 Y1.3 152.46,6.45 152.46,9.31 153.07,9.92 U70.20
/MCU/XOUT: length 6.4
  Bottom w0.127: U70.21 152.67,9.98 151.22,8.53 Y1.1 149.14,7.19 C96.2
/MCU/~{USB_BOOT}: length 42.1
  Top w0.127: v1(156.25,24.29) 156.25,23.93 152.69,20.36 148.35,20.36 v1(146.93,21.79)
  Bottom w0.127: v1(156.25,24.29) 156.25,24.11 157.18,23.19 174.28,23.19 175.53,21.94 R18.1 ; v1(146.93,21.79) 146.53,21.79 143.98,24.34 140.23,24.34 B1.2
